# Altium PCB SYRINGE_PUMP.PcbDoc (part 2 of 2)
Units mm, origin at the board's own origin, x right, y up, seen from the top; angles counter-clockwise.
Board outline 62 x 144 mm, 2 copper layers (Top Layer, Bottom Layer); 121 components, 124 nets, 475 pads, 109 vias.
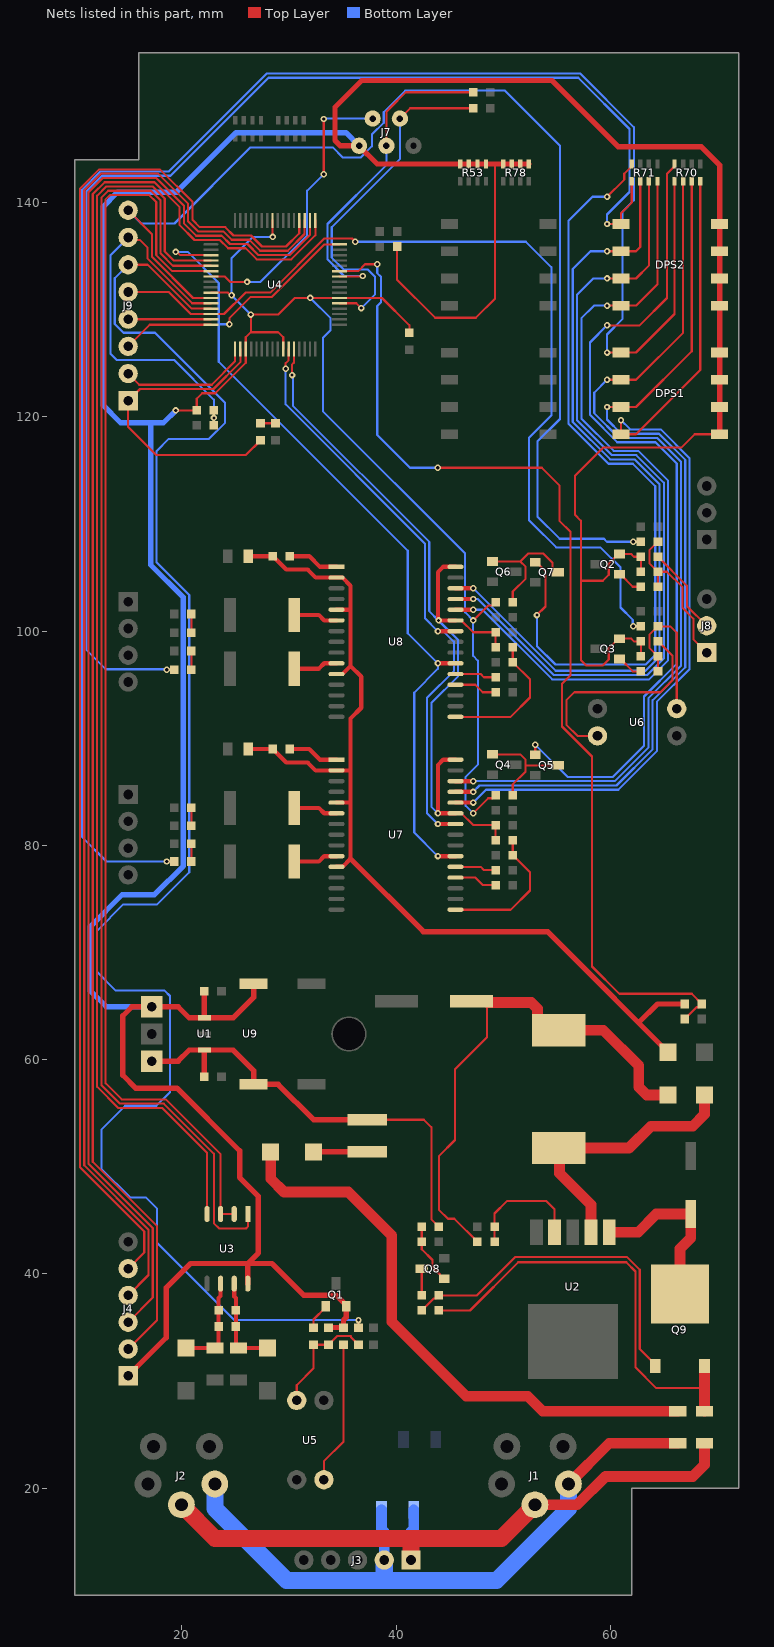
[diagram p2: the nets of this part, all layers, seen from the top]

## Via types
v1: diameter 0.6, hole 0.3, Top Layer to Bottom Layer, tented both sides, 97 vias
v2: diameter 0.6, hole 0.3, Top Layer to Bottom Layer, tented bottom, 12 vias

## Nets (pads, with @x,y where several pads share a name; then routed paths per layer and width w, separated by ;. In a path a pad name is that pad's centre, name@x,y a point inside that pad or via, vN(x,y) a via of type N, cw(c..) or ccw(c..) an arc to the next point about the centre after c; other vN are vias at no path point) (continued)
M_OE: C10.2 C15.2 R28.2 R44.2 U4.28 U7.25 U7.30 U8.25 U8.30 | length 78.3
  Top Layer w0.2: v1(30.3,123.9) 30.3,124.9 30.475,125.075 U4.28@30.475,126.35 ; U7.25@45.555,83 46.1,83 47.2,81.9 C10.2@49.3,81.9 R28.2@49.3,80.5 ; U8.25@45.555,101 46.1,101 47.2,99.9 C15.2@49.3,99.9 R44.2@49.3,98.5
  Top Layer w0.4: U7.25@45.555,83 v1(43.91,83) 43.91,87.51 44.4,88 U7.30@45.555,88 ; U8.25@45.555,101 v1(43.97,101) 43.91,101 43.91,105.51 44.4,106 U8.30@45.555,106
  Bottom Layer w0.2: v1(30.3,123.9) 30.377,123.823 30.377,121.052 43.1,108.328 43.1,101.87 v1(43.97,101) 45.8,99.17 45.8,95.8 43.3,93.3 43.3,83.61 v1(43.91,83)
M_RST: U4.27 U7.24 U8.24 | length 56
  Top Layer w0.2: v1(29.7,124.5) 29.7,125 29.975,125.275 U4.27@29.975,126.35
  Top Layer w0.4: v1(43.91,82) U7.24@45.555,82 ; v1(43.91,100) U8.24@45.555,100
  Bottom Layer w0.2: v1(29.7,124.5) 29.7,121.163 42.7,108.163 42.7,101.21 v1(43.91,100) 44.404,100 45.4,99.004 45.4,96.269 42.9,93.769 42.9,83.01 v1(43.91,82)
MAX485_RX: U3.4 U4.4 | length 118.4
  Top Layer w0.2: U3.4@22.36,45.6 22.36,51.309 18.169,55.5 14.069,55.5 12.1,57.469 12.1,140.631 12.969,141.5 17.3,141.5 18.42,140.38 18.42,135.428 19.248,134.6 U4.4@22.725,134.6
MAX485_SELECT: U3.2 U3.3 U4.6 | length 118.7
  Top Layer w0.2: U4.6@22.725,133.6 19.117,133.6 17.62,135.097 17.62,140.049 16.969,140.7 13.3,140.7 12.9,140.3 12.9,57.8 14.4,56.3 18.5,56.3 23.63,51.17 U3.3@23.63,45.6 24.265,45.6 ; 24.25,45.615 24.265,45.6 ; U3.2@24.9,45.6 24.265,45.6
MAX485_TX: U3.1 U4.5 | length 123.4
  Top Layer w0.2: U4.5@22.725,134.1 22.715,134.11 19.173,134.11 18.02,135.263 18.02,140.214 17.134,141.1 13.134,141.1 12.5,140.466 12.5,57.634 14.234,55.9 18.334,55.9 23,51.234 23,44.75 23.5,44.25 26,44.25 26.17,44.42 U3.1@26.17,45.6
N523810: C6.2 U7.1 | length 4.8
  Top Layer w0.4: C6.2@30.1,89 31.9,89 32.9,88 U7.1@34.445,88
N523982: R26.2 U7.6 | length 4.2
  Top Layer w0.4: R26.2@30.5,83.5 32.8,83.5 33.3,83 U7.6@34.445,83
N524085: R27.2 U7.10 | length 4.2
  Top Layer w0.4: R27.2@30.5,78.5 32.8,78.5 33.3,79 U7.10@34.445,79
N524939: R28.1 R32.1 U7.16 | length 13.1
  Top Layer w0.2: U7.16@45.555,74 50.7,74 52.5,75.8 52.5,77.5 R32.1@50.9,79.1 R28.1@50.9,80.5
N525295: C8.2 U7.19 | length 4
  Top Layer w0.2: U7.19@45.555,77 47.4,77 48.1,76.3 C8.2@49.3,76.3
N995890: R6.2 R7.2 RT1.1 TVS2.1 U3.6 | length 8.9
  Top Layer w0.381: TVS2.1@20.4,33.1 RT1.1@23.1,33.1 23.14,33.1 23.45,33.409 R6.2@23.45,35.1 R7.2@23.45,36.6 23.45,37.75 23.63,37.93 U3.6@23.63,39.1
N995918: R6.1 R7.1 RT2.1 TVS1.1 U3.7 | length 8.9
  Top Layer w0.381: U3.7@24.9,39.1 24.9,37.9 25.05,37.75 R7.1@25.05,36.6 R6.1@25.05,35.1 25.05,33.35 RT2.1@25.3,33.1 TVS1.1@28,33.1
N996416: R10.2 R13.1 R15.1 U5.3 | length 10.8
  Top Layer w0.2: U5.3@30.73,28.2 30.73,29.63 32.3,31.2 R13.1@32.3,33.4 R10.2@33.7,33.4 34.5,34.2 35.8,34.2 35.8,34.1 R15.1@36.5,33.4
N996429: R9.2 U5.1 | length 13.4
  Top Layer w0.2: U5.1@33.27,20.8 33.27,22.52 35.1,24.35 R9.2@35.1,33.4
N996966: J8.2 R11.2 | length 8.3
  Top Layer w0.2: R11.2@64.45,106.95 67.15,104.25 67.15,102.35 J8.2@69,100.5
N1105493: C9.2 U7.20 | length 3.9
  Top Layer w0.2: U7.20@45.555,78 47.9,78 48.2,77.7 C9.2@49.3,77.7
N1105698: DPS1.2 R70.6 U7.28 | length 83.9
  Top Layer w0.2: v1@59.7,123.459 DPS1.2@61,123.459 ; DPS1.2@61,123.46 62.4,123.46 66.8,127.86 R70.6@66.8,142
  Top Layer w0.4: U7.28@45.555,86 v1(47.2,86)
  Bottom Layer w0.2: v1(47.2,86) 60.419,86 63.55,89.131 63.55,93.731 66.6,96.781 66.6,115.819 64.388,118.03 60.82,118.03 58.5,120.35 58.5,122.261 v1(59.7,123.461)
N1105702: DPS1.3 R70.7 U7.27 | length 84.3
  Top Layer w0.2: v1@59.7,120.919 DPS1.3@61,120.919 ; DPS1.3@61,120.92 62.4,120.92 67.6,126.12 R70.7@67.6,142
  Top Layer w0.4: U7.27@45.555,85 v1(47.2,85)
  Bottom Layer w0.2: v1(47.2,85) 47.8,85.6 60.584,85.6 63.95,88.966 63.95,93.566 67,96.616 67,115.984 64.554,118.43 61.02,118.43 59.7,119.75 v1(59.7,120.921)
N1105706: DPS1.4 R70.8 U7.26 | length 86.1
  Top Layer w0.2: DPS1.4@61,118.38 62.4,118.38 68.4,124.38 R70.8@68.4,142 ; DPS1.4@61,118.381 v1@61,119.681
  Top Layer w0.4: U7.26@45.555,84 v1(47.2,84)
  Bottom Layer w0.2: v1(47.2,84) 48.4,85.2 60.75,85.2 64.35,88.8 64.35,93.4 67.4,96.45 67.4,116.15 64.72,118.83 61.852,118.83 v1(61.002,119.681)
N1109850: D3.2 R8.2 | length 1.4
  Top Layer w0.2: R8.2@27.35,119.4 D3.2@28.75,119.4
N1125842: C11.2 U8.1 | length 4.8
  Top Layer w0.4: C11.2@30.1,107 31.9,107 32.9,106 U8.1@34.445,106
N1125974: DPS2.2 R71.6 U8.28 | length 76.9
  Top Layer w0.2: v1(59.7,135.46) DPS2.2@61,135.46 62.4,135.46 62.8,135.86 R71.6@62.8,142
  Top Layer w0.4: U8.28@45.555,104 v1(47.2,104)
  Bottom Layer w0.2: v1(47.2,104) 54.9,96.3 63.29,96.3 64.6,97.61 64.6,113.696 62.266,116.031 59.991,116.031 56.5,119.522 56.5,133.8 58.16,135.46 v1(59.7,135.46)
N1126002: DPS2.3 R71.7 U8.27 | length 77.4
  Top Layer w0.2: v1(59.7,132.92) DPS2.3@61,132.92 62.4,132.92 63.6,134.12 R71.7@63.6,142
  Top Layer w0.4: U8.27@45.555,103 v1(47.2,103)
  Bottom Layer w0.2: v1(47.2,103) 47.207,102.993 47.641,102.993 54.734,95.9 63.456,95.9 65,97.444 65,113.862 62.431,116.431 60.157,116.431 56.9,119.687 56.9,131.4 58.42,132.92 v1(59.7,132.92)
N1126054: DPS2.4 R71.8 U8.26 | length 77.9
  Top Layer w0.2: v1(59.7,130.38) 62.4,130.38 64.4,132.38 R71.8@64.4,142
  Top Layer w0.4: U8.26@45.555,102 v1(47.2,102)
  Bottom Layer w0.2: v1(47.2,102) 47.207,101.993 48.076,101.993 54.569,95.5 63.622,95.5 65.4,97.278 65.4,114.028 62.597,116.831 60.57,116.831 60.322,116.831 57.3,119.853 57.3,120.1 57.3,129.2 58.48,130.38 v1(59.7,130.38)
N1126094: R41.2 U8.6 | length 4.2
  Top Layer w0.4: R41.2@30.5,101.5 32.8,101.5 33.3,101 U8.6@34.445,101
N1126274: R42.2 U8.10 | length 4.2
  Top Layer w0.4: R42.2@30.5,96.5 32.8,96.5 33.3,97 U8.10@34.445,97
N1126286: C14.2 U8.20 | length 3.9
  Top Layer w0.2: U8.20@45.555,96 47.9,96 48.2,95.7 C14.2@49.3,95.7
N1126310: C13.2 U8.19 | length 4
  Top Layer w0.2: U8.19@45.555,95 47.4,95 48.1,94.3 C13.2@49.3,94.3
N1126466: R44.1 R47.1 U8.16 | length 13.1
  Top Layer w0.2: U8.16@45.555,92 50.7,92 52.5,93.8 52.5,95.5 R47.1@50.9,97.1 R44.1@50.9,98.5
N1134491: D2.1 L1.1 U2.2 | length 25.8
  Top Layer w1: U2.2@58.2,43.9 58.2,46.45 55.25,49.4 55.25,51.7 L1.1@55.2,51.75 61.75,51.75 63.8,53.8 67.7,53.8 68.8,54.9 D2.1@68.8,56.7
N1134503: C4.1 D1.2 L1.2 R2.1 | length 48.4
  Top Layer w0.2: R2.1@47.6,43 45.45,45.15 44.85,45.15 44,46 44,51 45.5,52.5 45.5,59.1 48.5,62.1 C4.1@48.5,65.4
  Top Layer w1: C4.1@48.5,65.4 48.561,65.339 52.611,65.339 53.2,64.75 53.2,63.75 54.2,62.75 59.35,62.75 62.65,59.45 62.65,57.45 63.4,56.7 D1.2@65.4,56.7
N1134575: R2.2 R3.1 U2.4 | length 11.2
  Top Layer w0.2: R2.2@49.2,43 R3.1@49.2,44.4 49.2,45.65 50.35,46.8 54.05,46.8 54.8,46.05 U2.4@54.8,43.9
N1150243: R19.2 U6.1 | length 20.5
  Top Layer w0.2: U6.1@58.8,90.23 56.936,90.23 55.9,91.266 55.9,93.55 56.65,94.3 64.684,94.3 65.8,95.416 65.8,97.7 R19.2@64.45,99.05
N1150283: R20.2 R22.1 R68.1 U6.3 | length 13.9
  Top Layer w0.2: R22.1@64.45,96.25 R20.2@64.45,97.65 63.65,98.45 63.65,99.65 R68.1@64.45,100.45 65.6,100.45 66.2,99.85 U6.3@66.2,92.77
N1150349: Q3.1 R22.2 | length 2.5
  Top Layer w0.2: Q3.1@60.85,97.4 60.95,97.4 62.1,96.25 R22.2@62.85,96.25
N1151010: J8.1 R12.2 R14.1 R61.1 | length 14.8
  Top Layer w0.2: R14.1@64.45,104.15 R12.2@64.45,105.55 ; R61.1@64.45,108.35 63.65,107.55 63.65,106.35 R12.2@64.45,105.55 ; J8.1@69,98 67.75,99.25 67.75,101.167 66.75,102.167 66.75,104.084 65.284,105.55 R12.2@64.45,105.55
N1151068: Q2.1 R14.2 | length 2.5
  Top Layer w0.2: Q2.1@60.85,105.3 60.95,105.3 62.1,104.15 R14.2@62.85,104.15
N1152916: Q7.1 R71.4 | length 74.5
  Top Layer w0.2: Q7.1@53,106.45 53.1,106.45 53.95,105.6 53.95,102.3 v1(53.15,101.5) ; v1(59.7,140.54) 61.3,142.14 61.3,142.7 62,143.4 R71.4@62,143.6
  Bottom Layer w0.2: v1(53.15,101.5) 53.15,98.616 54.883,96.883 63.307,96.883 64.2,97.775 64.2,113.53 62.1,115.631 59.825,115.631 56.1,119.356 56.1,138.3 58.34,140.54 v1(59.7,140.54)
N1158413: Q6.1 Q7.3 R48.2 | length 12
  Top Layer w0.2: Q6.1@49,106.5 51.6,106.5 ; R48.2@50.9,102.7 50.9,103.7 52.1,104.9 52.1,106 51.6,106.5 ; Q7.3@55.05,105.45 54.95,105.45 54.6,105.8 54.6,106.383 53.733,107.25 52.35,107.25 51.6,106.5
N1173556: Q4.1 Q5.3 R33.2 | length 10.1
  Top Layer w0.2: Q4.1@49,88.5 51.6,88.5 52.1,88 52.1,87.45 ; R33.2@50.9,84.7 50.9,85.7 52.1,86.9 52.1,87.45 ; Q5.3@55.1,87.5 55.05,87.45 52.1,87.45
N1173568: Q5.1 R70.4 | length 79.6
  Top Layer w0.2: Q5.1@53,88.45 v1(53,89.4) ; v1(59.7,128.541) 62.741,128.541 65.3,131.1 65.3,142.7 66,143.4 R70.4@66,143.6
  Bottom Layer w0.2: v1(53,89.4) 56,86.4 60.253,86.4 63.15,89.297 63.15,93.897 66.2,96.947 66.2,115.653 64.222,117.63 60.654,117.63 58.1,120.184 58.1,126.941 v1(59.7,128.541)
N1187136: Q8.3 R57.2 | length 2.5
  Top Layer w0.2: R57.2@42.4,38 Q8.3@42.4,40.5
N1187669: Q8.1 R56.2 R69.1 | length 5.8
  Top Layer w0.2: R56.2@42.4,44.4 R69.1@42.4,43 42.4,42.3 43.4,41.3 43.4,40.65 44.1,39.95 44.1,39.85 44.4,39.55 Q8.1@44.5,39.55
N1188105: Q9.1 R57.1 R58.2 | length 32.5
  Top Layer w0.2: R58.2@42.4,36.6 43.5,37.7 43.7,37.7 R57.1@44,38 47.55,38 51.15,41.6 61.55,41.6 62.75,40.4 62.75,33 64.2,31.55 Q9.1@64.2,31.4
N1205264: DPS1.1 R70.5 R72.1 | length 170.3
  Top Layer w0.2: v1(18.6,78.5) R72.1@19.3,78.5 ; v1(59.7,126.001) 60.999,126.001 62.4,126 66,129.6 R70.5@66,142
  Bottom Layer w0.2: v1(18.6,78.5) 12.977,78.5 10.7,80.777 10.7,141.2 12.4,142.9 18.784,142.9 27.934,152.05 57.181,152.05 62.2,147.031 62.2,140.216 61.15,139.166 61.15,129.142 59.7,127.692 v1(59.7,126.001)
N1206067: DPS2.1 R71.5 R73.1 | length 124.3
  Top Layer w0.2: v1(18.6,96.4) R73.1@19.3,96.4 ; v1(59.7,138) DPS2.1@61,138 61,139 62,140 R71.5@62,142
  Bottom Layer w0.2: v1(18.6,96.4) 18.55,96.45 12.9,96.45 11.1,98.25 11.1,141.034 12.566,142.5 18.95,142.5 28.1,151.65 57.016,151.65 61.8,146.866 61.8,140.984 59.7,138.884 v1(59.7,138)
N1212328: D8.1 L2.1 | length 5
  Top Layer w0.5: D8.1@32.3,51.4 L2.1@37.3,51.4
N1224541: D7.2 R73.2 | length 1.8
  Top Layer w0.2: R73.2@20.9,96.4 D7.2@20.9,98.15
N1225126: D5.2 R72.2 | length 1.7
  Top Layer w0.2: R72.2@20.9,78.5 D5.2@20.9,80.15
N1230874: Q1.1 R13.2 | length 2.5
  Top Layer w0.2: R13.2@32.3,35 32.3,35.75 33.45,36.9 Q1.1@33.45,37
N11519991: D4.2 R36.2 | length 1.7
  Top Layer w0.2: D4.2@20.9,81.85 R36.2@20.9,83.5
N11528761: D6.2 R51.2 | length 1.8
  Top Layer w0.2: D6.2@20.9,99.85 R51.2@20.9,101.6
PROCESSOR_ICSCLK: J7.3 R75.2 U4.42 | length 31
  Top Layer w0.2: U4.42@34.725,133.1 34.735,133.11 36.86,133.11 v1(36.9,133.15) ; J7.3@39.1,145.3 39.1,148.45 39.4,148.75 39.4,148.776 40.924,150.3 R75.2@47.2,150.3
  Bottom Layer w0.2: v1(36.9,133.15) 35.15,133.15 33.6,134.7 33.6,138 39.1,143.5 J7.3@39.1,145.3
PROCESSOR_ICSDAT: J7.4 R74.2 U4.37 | length 33.3
  Top Layer w0.2: U4.37@34.725,130.6 36.3,130.6 v1(36.75,130.15) ; J7.4@40.36,147.84 41.32,148.8 R74.2@47.2,148.8
  Bottom Layer w0.2: v1(36.75,130.15) 38.05,131.45 38.05,133.05 37.35,133.75 35.116,133.75 34,134.866 34,137.7 40.36,144.06 J7.4@40.36,147.84
PROCESSOR_MCLR: J7.2 U4.7 | length 27.1
  Top Layer w0.2: U4.7@22.725,133.1 24,133.1 24.5,132.6 v1(26.1,132.6) ; v1(33.25,142.65) v1(33.25,147.8)
  Bottom Layer w0.2: v1(26.1,132.6) 27.35,132.6 31.7,136.95 31.7,141.1 v1(33.25,142.65) ; v1(33.25,147.8) 33.29,147.84 J7.2@37.82,147.84
PWR_DECTET: R59.2 R60.1 U4.43 | length 99.7
  Top Layer w0.2: U4.43@34.725,133.6 36.463,133.6 37.112,134.25 v1(38.25,134.25) ; v1(43.9,115.25) 53.608,115.25 55.25,113.608 55.25,110.3 56.3,109.25 56.3,95.9 55.5,95.1 55.5,91.1 58.3,88.3 58.3,68.7 60.85,66.15 67.6,66.15 R59.2@68.55,65.2 68.25,64.9 68.05,64.9 R60.1@66.95,63.8
  Bottom Layer w0.2: v1(38.25,134.25) 38.25,133.416 38.6,133.066 38.6,130.7 38.25,130.35 38.25,118.3 41.3,115.25 v1(43.9,115.25)
SPI_SCK: J4.3 U4.50 | length 136.2
  Top Layer w0.2: J4.3@15,35.5 17.3,37.8 17.3,44.3 11.3,50.3 11.3,140.963 12.637,142.3 17.631,142.3 19.566,140.366 20.2,139.731 20.2,138.066 21.356,136.91 23.724,136.91 24.501,136.133 26.133,136.133 27.166,135.1 30.066,135.1 31.975,137.009 U4.50@31.975,138.35
SPI_SDI: J4.4 U4.51 | length 133.5
  Top Layer w0.2: J4.4@15,38 16.9,39.9 16.9,44.134 10.9,50.134 10.9,141.128 12.472,142.7 17.797,142.7 20.6,139.897 20.6,138.231 21.521,137.31 23.89,137.31 24.667,136.533 26.299,136.533 27.331,135.5 29.9,135.5 31.465,137.065 31.465,138.34 U4.51@31.475,138.35
SPI_SDO: J4.5 U4.52 | length 130.8
  Top Layer w0.2: J4.5@15,40.5 16.5,42 16.5,43.969 10.5,49.969 10.5,141.294 12.306,143.1 17.963,143.1 21,140.063 21,138.397 21.687,137.71 24.056,137.71 24.833,136.933 26.464,136.933 27.497,135.9 29.734,135.9 30.975,137.141 U4.52@30.975,138.35
SPI_SS: J4.2 U4.49 | length 138.9
  Top Layer w0.2: J4.2@15,33 17.7,35.7 17.7,44.466 11.7,50.466 11.7,140.797 12.803,141.9 17.466,141.9 19.8,139.566 19.8,137.9 21.19,136.51 23.559,136.51 24.336,135.733 25.967,135.733 27,134.7 30.231,134.7 32.475,136.944 U4.49@32.475,138.35
STEP_PWM: U4.3 U4.48 U7.21 U8.21 | length 90.4
  Top Layer w0.2: v1(19.45,135.4) 19.558,135.4 19.858,135.1 U4.3@22.725,135.1 U4.3@22.735,135.09 ; v1(24.45,128.65) 24.45,129.216 26.434,131.2 28.428,131.2 33.328,136.1 U4.48@34.725,136.1
  Top Layer w0.4: v1(43.91,79) U7.21@45.555,79 ; v1(43.91,97) U8.21@45.555,97
  Bottom Layer w0.2: v1(19.45,135.4) 20.55,135.4 23.45,132.5 23.45,128.65 ; v1(24.45,128.65) 23.45,128.65 ; v1(43.91,79) 41.7,81.21 41.7,94.266 43.91,96.476 v1(43.91,97) 41.1,99.81 41.1,107.5 23.45,125.15 23.45,128.65
TP0: J9.1 R8.1 U4.18 | length 29.6
  Top Layer w0.2: U4.18@25.475,126.35 25.475,125.109 22.966,122.6 16.1,122.6 J9.1@15,121.5 15,119.05 17.6,116.45 26,116.45 R8.1@27.35,117.8
TP1: J9.2 U4.17 | length 12.5
  Top Layer w0.2: J9.2@15,124.04 16.04,123 22.8,123 24.975,125.175 U4.17@24.975,126.35
TP2: J9.3 U4.16 | length 8.6
  Top Layer w0.2: J9.3@15,126.58 15,126.6 17,128.6 U4.16@22.725,128.6
TP3: J9.4 U4.15 | length 7.7
  Top Layer w0.2: J9.4@15,129.12 15.01,129.11 22.715,129.11 U4.15@22.725,129.1
TP4_C1IN2N: J9.5 R68.2 U4.14 | length 85.9
  Top Layer w0.2: J9.5@15,131.66 18.794,131.66 20.854,129.6 U4.14@22.725,129.6 23.95,129.6 25.95,131.6 28.263,131.6 33.313,136.65 35.9,136.65 v1(36.2,136.35) ; v1(62.15,100.45) R68.2@62.85,100.45
  Bottom Layer w0.2: v1(36.2,136.35) 52.116,136.35 54.5,133.966 54.5,120.134 52.408,118.042 52.408,110.358 52.733,110.033 54.942,107.824 59.076,107.824 60.95,105.95 60.95,102.201 62.101,101.05 62.101,100.499 v1(62.15,100.45)
TP5_C1IN1N: J9.6 R15.2 U4.13 | length 154.1
  Top Layer w0.2: J9.6@15,134.2 16.82,134.2 20.92,130.1 U4.13@22.725,130.1 ; R15.2@36.5,35 v1(36.5,35.7)
  Bottom Layer w0.2: J9.6@15,134.2 13.75,132.95 13.75,128.673 14.573,127.85 17.5,127.85 24.05,121.3 24.05,119.45 22.55,117.95 18.8,117.95 17.65,116.8 17.65,106.428 20.7,103.378 20.7,77.5 17.7,74.5 14.55,74.5 12.1,72.05 12.1,68.184 13.834,66.45 18.4,66.45 18.9,65.95 18.9,56.966 17.634,55.7 14.734,55.7 12.5,53.466 12.5,49.834 15.184,47.15 16.65,47.15 17.7,46.1 17.7,42.9 24.9,35.7 v1(36.5,35.7)
TP6_C1INP: J9.7 R62.2 R64.1 U4.12 | length 36.9
  Top Layer w0.2: J9.7@15,136.74 15.219,136.521 16.079,136.521 16.82,135.78 16.82,134.766 20.986,130.6 U4.12@22.725,130.6 ; R64.1@23,119.2 v1(23,119.9) R62.2@23,120.6
  Bottom Layer w0.2: J9.7@15,136.74 13.35,135.09 13.35,125.9 13.95,125.3 19.3,125.3 23,121.6 v1(23,119.9)
TP7_C1IN3N: J9.8 R61.2 U4.11 | length 108.5
  Top Layer w0.2: J9.8@15,139.28 17.22,137.06 17.22,134.931 21.051,131.1 U4.11@22.725,131.1 ; v1(62.15,108.35) R61.2@62.85,108.35
  Bottom Layer w0.2: J9.8@15,139.28 16.23,138.05 19.32,138.05 26.42,145.15 34.1,145.15 35.039,144.211 36.711,144.211 37.75,145.25 37.75,146.35 38.85,147.45 38.85,148.433 40.867,150.45 50.166,150.45 55.3,145.316 55.3,119.803 53.208,117.711 53.208,110.689 55.274,108.624 59.408,108.624 59.681,108.35 v1(62.15,108.35)
VCC_5V: C2.1 C5.2 C17.1 DPS1.5 DPS1.6 DPS1.7 DPS1.8 DPS2.5 DPS2.6 DPS2.7 DPS2.8 J4.1 J7.1 Q1.2 Q2.2 Q3.2 R9.1 R10.1 R11.1 R12.1 R19.1 R20.1 R33.1 R48.1 R53.5 R53.6 R53.7 R53.8 R62.1 R78.5 R78.6 R78.7 R78.8 R80.1 U1.1 U3.8 U4.10 U4.19 U4.26 U4.38 U4.57 U9.3 | length 485
  Top Layer w0.2: v1(19.45,120.6) R62.1@21.4,120.6 21.4,121.7 21.9,122.2 23.131,122.2 25.975,125.044 U4.19@25.975,126.35 25.975,127.425 26.45,127.9 ; U4.10@22.725,131.6 24.292,131.6 24.542,131.35 v1(24.65,131.35) ; U4.57@28.475,138.35 28.475,136.825 v1(28.5,136.8) ; U4.26@29.475,126.35 29.475,127.425 29,127.9 26.45,127.9 ; R80.1@40.1,135.9 40.1,132.8 43.65,129.25 47.45,129.25 49.25,131.05 49.25,143.6 ; C5.2@41.25,127.85 41.25,128.55 38.7,131.1 U4.38@34.725,131.1 30.55,131.1 29,129.55 v1(26.45,129.55) 26.45,127.9 ; R53.8@46,143.6 49.25,143.6 ; v1(47.2,83) 48.6,84.4 49,84.4 R33.1@49.3,84.7 ; v1(47.2,101) 48.6,102.4 49,102.4 R48.1@49.3,102.7 ; R78.5@52.4,143.6 R78.8@50,143.6 49.25,143.6 ; R20.1@62.85,97.65 R19.1@62.85,99.05 62.2,99.05 61.95,99.3 Q3.2@60.85,99.3 60.75,99.3 59.85,98.4 59.85,97.35 59.3,96.8 57.75,96.8 57.25,97.3 57.25,104.7 ; R12.1@62.85,105.55 R11.1@62.85,106.95 62.2,106.95 61.95,107.2 Q2.2@60.85,107.2 60.75,107.2 59.85,106.3 59.85,105.25 59.3,104.7 57.25,104.7 ; DPS1.5@70.2,118.381 67.881,118.381 66.625,117.125 59.325,117.125 56.7,114.5 56.7,110.85 57.25,110.3 57.25,104.7
  Top Layer w0.5: J4.1@15,30.5 18.55,34.05 18.55,38.7 20.83,40.98 26.17,40.98 ; C2.1@22.115,66.4 U1.1@22.115,63.9 ; U3.8@26.17,39.1 26.17,40.98 ; C17.1@26.715,67.1 26.715,65.815 24.8,63.9 U1.1@22.13,63.9 U1.1@22.115,63.9 ; R10.1@33.7,35 R9.1@35.1,35 35.1,35.7 35.35,35.95 Q1.2@35.35,37 35.35,37.1 34.45,38 31.4,38 28.42,40.98 26.17,40.98 ; R78.5@52.4,143.6 R78.6@51.6,143.6 R78.7@50.8,143.6 49.25,143.6 R53.5@48.4,143.6 R53.6@47.6,143.6 R53.7@46.8,143.6 38.25,143.6 J7.1@36.55,145.3 34.8,145.3 34.3,145.8 34.3,148.9 36.8,151.4 54.55,151.4 60.75,145.2 68.5,145.2 70.2,143.5 DPS2.8@70.2,138 DPS1.8@70.2,126.001 DPS1.7@70.2,123.461 DPS1.6@70.2,120.921 DPS1.5@70.2,118.381 ; U1.1@22.115,63.9 20.7,63.9 19.66,64.94 U9.3@17.215,64.94 15.34,64.94 14.5,64.1 14.5,58.55 15.7,57.35 19.55,57.35 25.4,51.5 25.4,49 27.15,47.25 27.15,41.96 26.17,40.98
  Bottom Layer w0.2: v1(26.45,129.55) v1(24.65,131.35) 24.65,134.8 26.65,136.8 v1(28.5,136.8) ; v1(32,131.1) 33.9,129.2 33.9,128.1 33.2,127.4 33.2,120.491 46.45,107.241 46.45,101.75 v1(47.2,101) 47.2,97.694 47.645,97.249 47.645,87.545 46.5,86.4 46.5,83.7 v1(47.2,83)
  Bottom Layer w0.5: U9.3@17.215,64.94 12.96,64.94 11.45,66.45 11.45,72.4 14.45,75.4 17.45,75.4 20.15,78.1 20.15,103.15 17.1,106.2 17.1,119.45 ; v1(19.45,120.6) 18.3,119.45 17.1,119.45 ; J7.1@36.55,145.3 35.325,146.525 25.075,146.525 19.524,140.974 14.024,140.974 12.65,139.6 12.65,121.1 14.3,119.45 17.1,119.45
VCC_12V: C6.1 C7.1 C11.1 C12.1 D1.1 R59.1 U7.2 U7.5 U7.11 U8.2 U8.5 U8.11 | length 95.4
  Top Layer w0.4: C7.1@26.2,89 C6.1@28.5,89 29.75,87.75 31.75,87.75 32.5,87 U7.2@34.445,87 35.75,87 ; C12.1@26.2,107 C11.1@28.5,107 29.75,105.75 31.75,105.75 32.5,105 U8.2@34.445,105 34.995,105 35.75,104.245 35.75,102 ; U7.11@34.445,78 34.995,78 35.75,78.755 35.75,84 ; U7.5@34.445,84 35.75,84 ; U8.11@34.445,96 34.995,96 35.75,96.755 ; U8.5@34.445,102 35.75,102 ; 35.75,84 35.75,87 ; 35.75,87 35.75,91.85 36.75,92.85 36.75,95.755 35.75,96.755 ; 35.75,96.755 35.75,102
  Top Layer w0.5: 35.75,78.755 42.555,71.95 54.15,71.95 58.275,67.825 62.65,63.45 ; D1.1@65.4,60.7 64.85,61.25 62.65,63.45 ; R59.1@66.95,65.2 64.4,65.2 62.65,63.45
VCC_PWR: F2.1 Q9.3 R58.1 | length 41.4
  Top Layer w0.2: R58.1@44.3,36.9 R58.1@44,36.6 46.9,36.6 51.4,41.1 61.484,41.1 62.35,40.234 62.35,31.3 64.3,29.35 68.75,29.35 68.8,29.3
  Top Layer w1: F2.1@68.8,27.2 68.8,29.3 Q9.3@68.8,31.4
VCC_PWR_EXT: F2.2 J1.1 J2.1 J3.1 R79.2 | length 61.8
  Top Layer w1: J1.1@52.97,18.459 55.272,18.459 55.282,18.449 56.897,18.449 59.548,21.1 67.7,21.1 68.8,22.2 F2.2@68.8,24.2
  Top Layer w1.6: J2.1@19.97,18.459 23.115,15.315 41.4,15.315 ; J3.1@41.4,13.3 41.4,15.315 ; J1.1@52.97,18.459 49.825,15.315 41.4,15.315
  Bottom Layer w1: J3.1@41.4,13.3 41.4,15.95 41.65,16.2 R79.2@41.65,18
VCC_PWR_INTERNAL: C3.1 Q9.2 U2.1 | length 16.2
  Top Layer w1: U2.1@59.9,43.9 62.6,43.9 64.3,45.6 C3.1@67.5,45.6 67.5,43.35 66.5,42.35 Q9.2@66.5,38.15
VCC_SYS: D8.2 F1.1 | length 54.2
  Top Layer w1: D8.2@28.3,51.4 28.3,48.9 29.55,47.65 35.55,47.65 39.6,43.6 39.6,35.55 46.55,28.6 52.3,28.6 53.7,27.2 F1.1@66.3,27.2
VCC_SYS_EXT: F1.2 J1.2 J2.2 J3.2 R79.1 | length 61.6
  Top Layer w1: J1.2@56.09,20.399 59.89,24.2 F1.2@66.3,24.2
  Bottom Layer w1: R79.1@38.65,18 38.65,16.2 38.9,15.95 J3.2@38.9,13.3
  Bottom Layer w1.6: J2.2@23.09,20.399 23.09,18.11 29.8,11.4 38.85,11.4 ; J3.2@38.9,13.3 38.9,11.45 38.85,11.4 ; J1.2@56.09,20.399 56.09,18.11 49.379,11.4 38.85,11.4
VCC_SYS_INTERNAL: C1.1 C16.1 L2.2 R56.1 U1.3 U9.1 | length 42.3
  Top Layer w0.2: L2.2@37.3,54.4 42.6,54.4 43.3,53.7 43.3,45.1 R56.1@44,44.4
  Top Layer w0.5: U9.1@17.215,59.86 19.66,59.86 20.7,60.9 U1.3@22.115,60.9 ; C1.1@22.115,58.4 U1.3@22.115,60.9 ; L2.2@37.3,54.4 32.3,54.4 29,57.7 C16.1@26.715,57.7 26.715,58.984 24.8,60.9 U1.3@22.13,60.9 U1.3@22.115,60.9
pads on no net: R76.1 U4. U7.8 U7.15 U7.18 U8.8 U8.15 U8.18 U9.

## Polygon pours and split planes (outlines as drawn)
no net on Bottom Overlay "NONET_L-01_P-001" (hatched Horizontal grid 0.508 track 0.203): 32,24 cw(c32,36) 20,36 cw(c32,36) 32,48 cw(c32,36) 44,36 cw(c32,36)
no net on Bottom Overlay "NONET_L-01_P-001" (hatched Horizontal grid 0.508 track 0.203): 16,154 64,154 64,107 64,85 72,85 72,73 52,73 52,85 61,85 61,107 16,107
GND on Bottom Layer "NONET_L-01_P-001" (solid, remove dead copper, pour order 3): 16,154 72,154 72,20 62,20 62,10 10,10 10,144 16,144
GND_SIGNAL on Bottom Layer "NONET_L-01_P-001" (solid, pour order 1): 61.125,108.875 61.125,70.875 23.125,70.875 23.125,108.875
GND on Top Layer "NONET_L-01_P-001" (solid, remove dead copper, pour order 2): 16,154 72,154 72,20 62,20 62,10 10,10 10,144 16,144
GND_SIGNAL on Top Layer "NONET_L-01_P-001" (solid, pour order 0): 61.125,108.875 61.125,70.875 23.125,70.875 23.125,108.875

## Keep-outs
Keep-Out Layer:
  circle w0.254: c32,29.6 r0.4
  circle w0.254: c32,19.4 r0.4
  circle w0.254: c67.6,91.5 r0.4
  circle w0.254: c57.4,91.5 r0.4
  circle w0.2: c20,150 r3
  circle w0.2: c68,150 r3
  circle w0.2: c68,79 r3
  circle w0.2: c16.5,51.5 r3
  circle w0.2: c16.5,51.5 r1.5
  circle w0.2: c68,79 r1.5
  circle w0.2: c68,150 r1.5
  circle w0.2: c20,150 r1.5
  lines w0.2: 10,10 10,144 16,144 16,154 72,154 72,20 62,20 62,10 10,10

## Other copper
Top Layer:
  pour cut-out: 35.6,60.049 cw(c35.6,62.4) 33.249,62.4 cw(c35.6,62.4) 35.6,64.751 cw(c35.6,62.4) 37.951,62.4 cw(c35.6,62.4)
Bottom Layer:
  region: 20.6,52.9 40.6,52.9 40.6,71.9 20.6,71.9
  pour cut-out: 42.8,29.05 60.25,29.05 60.25,22.1 42.8,22.1

## Silkscreen, mask and mechanical layers (free items; w line width, h text height)
Top Overlay:
  circle w0.8: c59,112.4 r2.2
  circle w0.8: c17.25,70.65 r2.2
  circle w1.4: c35.6,62.4 r2.1
  circle w0.5: c36.55,145.3 r1
  circle w1.5: c68,79 r2.25
  circle w1.5: c20,150 r2.25
  circle w1.5: c16.5,51.5 r2.25
  circle w1.5: c68,150 r2.25
  region: 31.22,113.372 30.82,112.972 30.82,112.172 31.22,111.772
  region: 34.82,111.772 35.22,112.172 35.22,112.972 34.82,113.372
  region: 31.32,113.372 34.72,113.372 34.52,113.572 31.52,113.572
  region: 34.72,111.772 31.32,111.772 31.52,111.572 34.52,111.572
  lines w0.2: 34.27,111.572 ccw(c34.27,112.572) 34.27,113.572 ; 55.3,140.55 55.303,140.547 ; 31.77,111.572 cw(c31.77,112.572) 31.77,113.572 42.59,113.572 cw(c42.59,112.572) 42.59,111.572 31.77,111.572
  lines w0.254: 55.3,140.55 60.978,140.55 62.2,139.328 ; 55.3,128.551 60.978,128.551 62.2,127.328 ; 55.303,128.548 55.303,117.054 62.2,117.054 ; 55.303,140.547 55.303,129.053 62.2,129.053 ; 13,10 13,26 27,26 27,10 13,10 ; 46,10 60,10 60,26 46,26 46,10
  text "M2" at 55.647,138.877 h1.5
  text "RF7" at 15,138.65 h2
  text "ST" at 55.7,137.337 h1.5
  text "0" at 41.5,137.25 h2
  text "RF6" at 15,136.11 h2
  text "MD1" at 55.7,134.797 h1.5
  text "1" at 41.5,134.71 h2
  text "RF5" at 15,133.57 h2
  text "MD2" at 55.7,132.257 h1.5
  text "2" at 41.5,132.17 h2
  text "RF4" at 15,131.03 h2
  text "MD3" at 55.7,129.717 h1.5
  text "3" at 41.5,129.63 h2
  text "RF3" at 15.01,128.48 h2
  text "M1" at 55.559,126.878 h0.5
  text "RF2" at 15,125.95 h2
  text "ST" at 55.7,125.336 h1.5
  text "4" at 41.5,125.249 h2
  text "RF1" at 15,123.41 h2
  text "MD1" at 55.7,122.796 h1.5
  text "5" at 41.5,122.709 h2
  text "RF0" at 15,120.87 h2
  text "MD2" at 55.7,120.256 h1.5
  text "6" at 41.5,120.17 h2
  text "MD3" at 55.7,117.716 h1.5
  text "7" at 41.5,117.63 h2
  text "SD165063" at 35.97,112.105 h1.5
  text "CYT" at 31.22,111.772 h1.5
Bottom Overlay:
  circle w0.8: c17.25,70.65 r2.2
  circle w0.8: c59,112.4 r2.2
  circle w0.8: c16.5,51.5 r2.2
  circle w0.8: c68,79 r2.2
  circle w0.8: c68,150 r2.2
  circle w0.8: c20,150 r2.2
  circle w1.4: c35.6,62.4 r2.1
  circle w0.2: c32,36 r9
  circle w0.2: c32,36 r12
  pour cut-out: 32,27 cw(c32,36) 23,36 cw(c32,36) 32,45 cw(c32,36) 41,36 cw(c32,36)
  pour cut-out: 56.852,143.08 56.852,108.08 61,108.08 61,143.08
  lines w0.2: 18.5,105.35 18.727,105.351 ; 40.6,52.9 20.6,52.9 20.6,71.9 40.6,71.9 ; 40.6,52.9 40.6,71.9
  lines w0.254: 18.5,74.65 23.125,74.638 23.125,87.362 18.5,87.35 ; 18.5,92.65 23.125,92.638 23.125,105.362 18.5,105.35 ; 52,73 72,73 72,85 52,85 52,73
  text "LED" at 71.5,125.834 h4 r90
  text "M2" at 18.5,92.638 h4 r270
  text "M1" at 18.5,74.638 h4 r270
Mechanical 1:
  circle w0.254: c32,29.6 r0.4
  circle w0.254: c32,19.4 r0.4
  circle w0.254: c57.4,91.5 r0.4
  circle w0.254: c67.6,91.5 r0.4
  circle w0.2: c59,112.4 r1.8
  circle w0.2: c17.25,70.65 r1.8
  circle w0.2: c20,150 r1.502
  circle w0.2: c68,150 r1.502
  circle w0.2: c68,79 r1.502
  circle w0.2: c16.5,51.5 r1.5
  lines w0.2: 10,10 10,144 16,144 16,154 72,154 72,20 62,20 62,10 10,10
Dimensions:
  circle w0.254: c32,36 r12
  lines w0.2: 14.437,73.463 19.125,78.15 19.125,110.525 51.5,110.525 56.188,115.213 cw(c59,112.4) 61.813,109.587 57.125,104.9 57.125,72.525 24.75,72.525 20.062,67.838 cw(c17.25,70.65) 14.437,73.463 ; 56,142 56,107 16,107 16,142 ; 72,107 72,142 ; 16,142 72,142 ; 16,142 16,154 72,154 72,142 ; 29.5,19 29.5,30 34.5,30 34.5,19 29.5,19 ; 57,89 57,94 68,94 68,89 57,89 ; 57,133 57,138 68,138 68,133 57,133
  lines w0.254: 56.492,139.524 57,138 ; 56.492,152.476 57,154 ; 56.746,138 57.254,138 ; 56.746,154 57.254,154 ; 57,142.927 57,138 ; 57,149.073 57,154 ; 57.508,139.524 57,138 ; 57.508,152.476 57,154 ; 61,142 61,85 64,85 64,142 ; 65.46,89 68,89 ; 65.46,133 68,133 ; 66.476,88.492 68,89 ; 66.476,89.508 68,89 ; 66.476,132.492 68,133 ; 66.476,133.508 68,133 ; 68,88.746 68,89.254 ; 68,132.746 68,133.254 ; 72,88.746 72,89.254 ; 72,132.746 72,133.254 ; 73.524,88.492 72,89 ; 73.524,89.508 72,89 ; 73.524,132.492 72,133 ; 73.524,133.508 72,133 ; 74.54,89 72,89 ; 74.54,133 72,133
  text "16mm" at 57.914,143.181 h1.52 r90
  text "4mm" at 67.816,129.343 h1.52
  text "4mm" at 67.816,85.343 h1.52

## Dimensions
10,10 to 62,10 on Dimensions
72,85 to 72,154 on Dimensions
16,154 to 72,154 on Dimensions
52,73 to 72,73 on Dimensions
52,85 to 52,73 on Dimensions
72,73 to 72,20 on Dimensions
10,144 to 10,10 on Dimensions

## Text inside footprints (layer, text, board x,y; h text height)
C3: Top Overlay "+" at 69.27,46.58 h1 r180
C4: Top Overlay "+" at 46.395,67.445 h1 r270
C16: Top Overlay "+" at 27.695,55.93 h1 r90
C17: Top Overlay "+" at 27.695,65.33 h1 r90
DPS1: Top Overlay "4" at 62.57,118.737 h0.5 r270; Top Overlay "3" at 62.57,121.227 h0.5 r270; Top Overlay "2" at 62.57,123.778 h0.5 r270; Top Overlay "1" at 62.57,126.207 h0.5 r270; Top Overlay "O  N" at 67.679,126.342 h1 r270
DPS2: Top Overlay "4" at 62.569,130.736 h0.5 r270; Top Overlay "3" at 62.569,133.226 h0.5 r270; Top Overlay "2" at 62.569,135.777 h0.5 r270; Top Overlay "1" at 62.569,138.206 h0.5 r270; Top Overlay "O  N" at 67.679,138.341 h1 r270
DPS4: Top Overlay "4" at 46.569,130.736 h1 r270; Top Overlay "3" at 46.569,133.226 h1 r270; Top Overlay "2" at 46.569,135.777 h1 r270; Top Overlay "1" at 46.569,138.206 h1 r270; Top Overlay "O  N" at 51.679,138.341 h1 r270
DPS5: Top Overlay "O  N" at 51.679,126.341 h1 r270; Top Overlay "1" at 46.569,126.206 h1 r270; Top Overlay "2" at 46.569,123.777 h1 r270; Top Overlay "3" at 46.569,121.226 h1 r270; Top Overlay "4" at 46.569,118.736 h1 r270